# Altium PCB ALCT_MEZ_SPARTAN6T.PcbDoc (part 10 of 12) (continued)
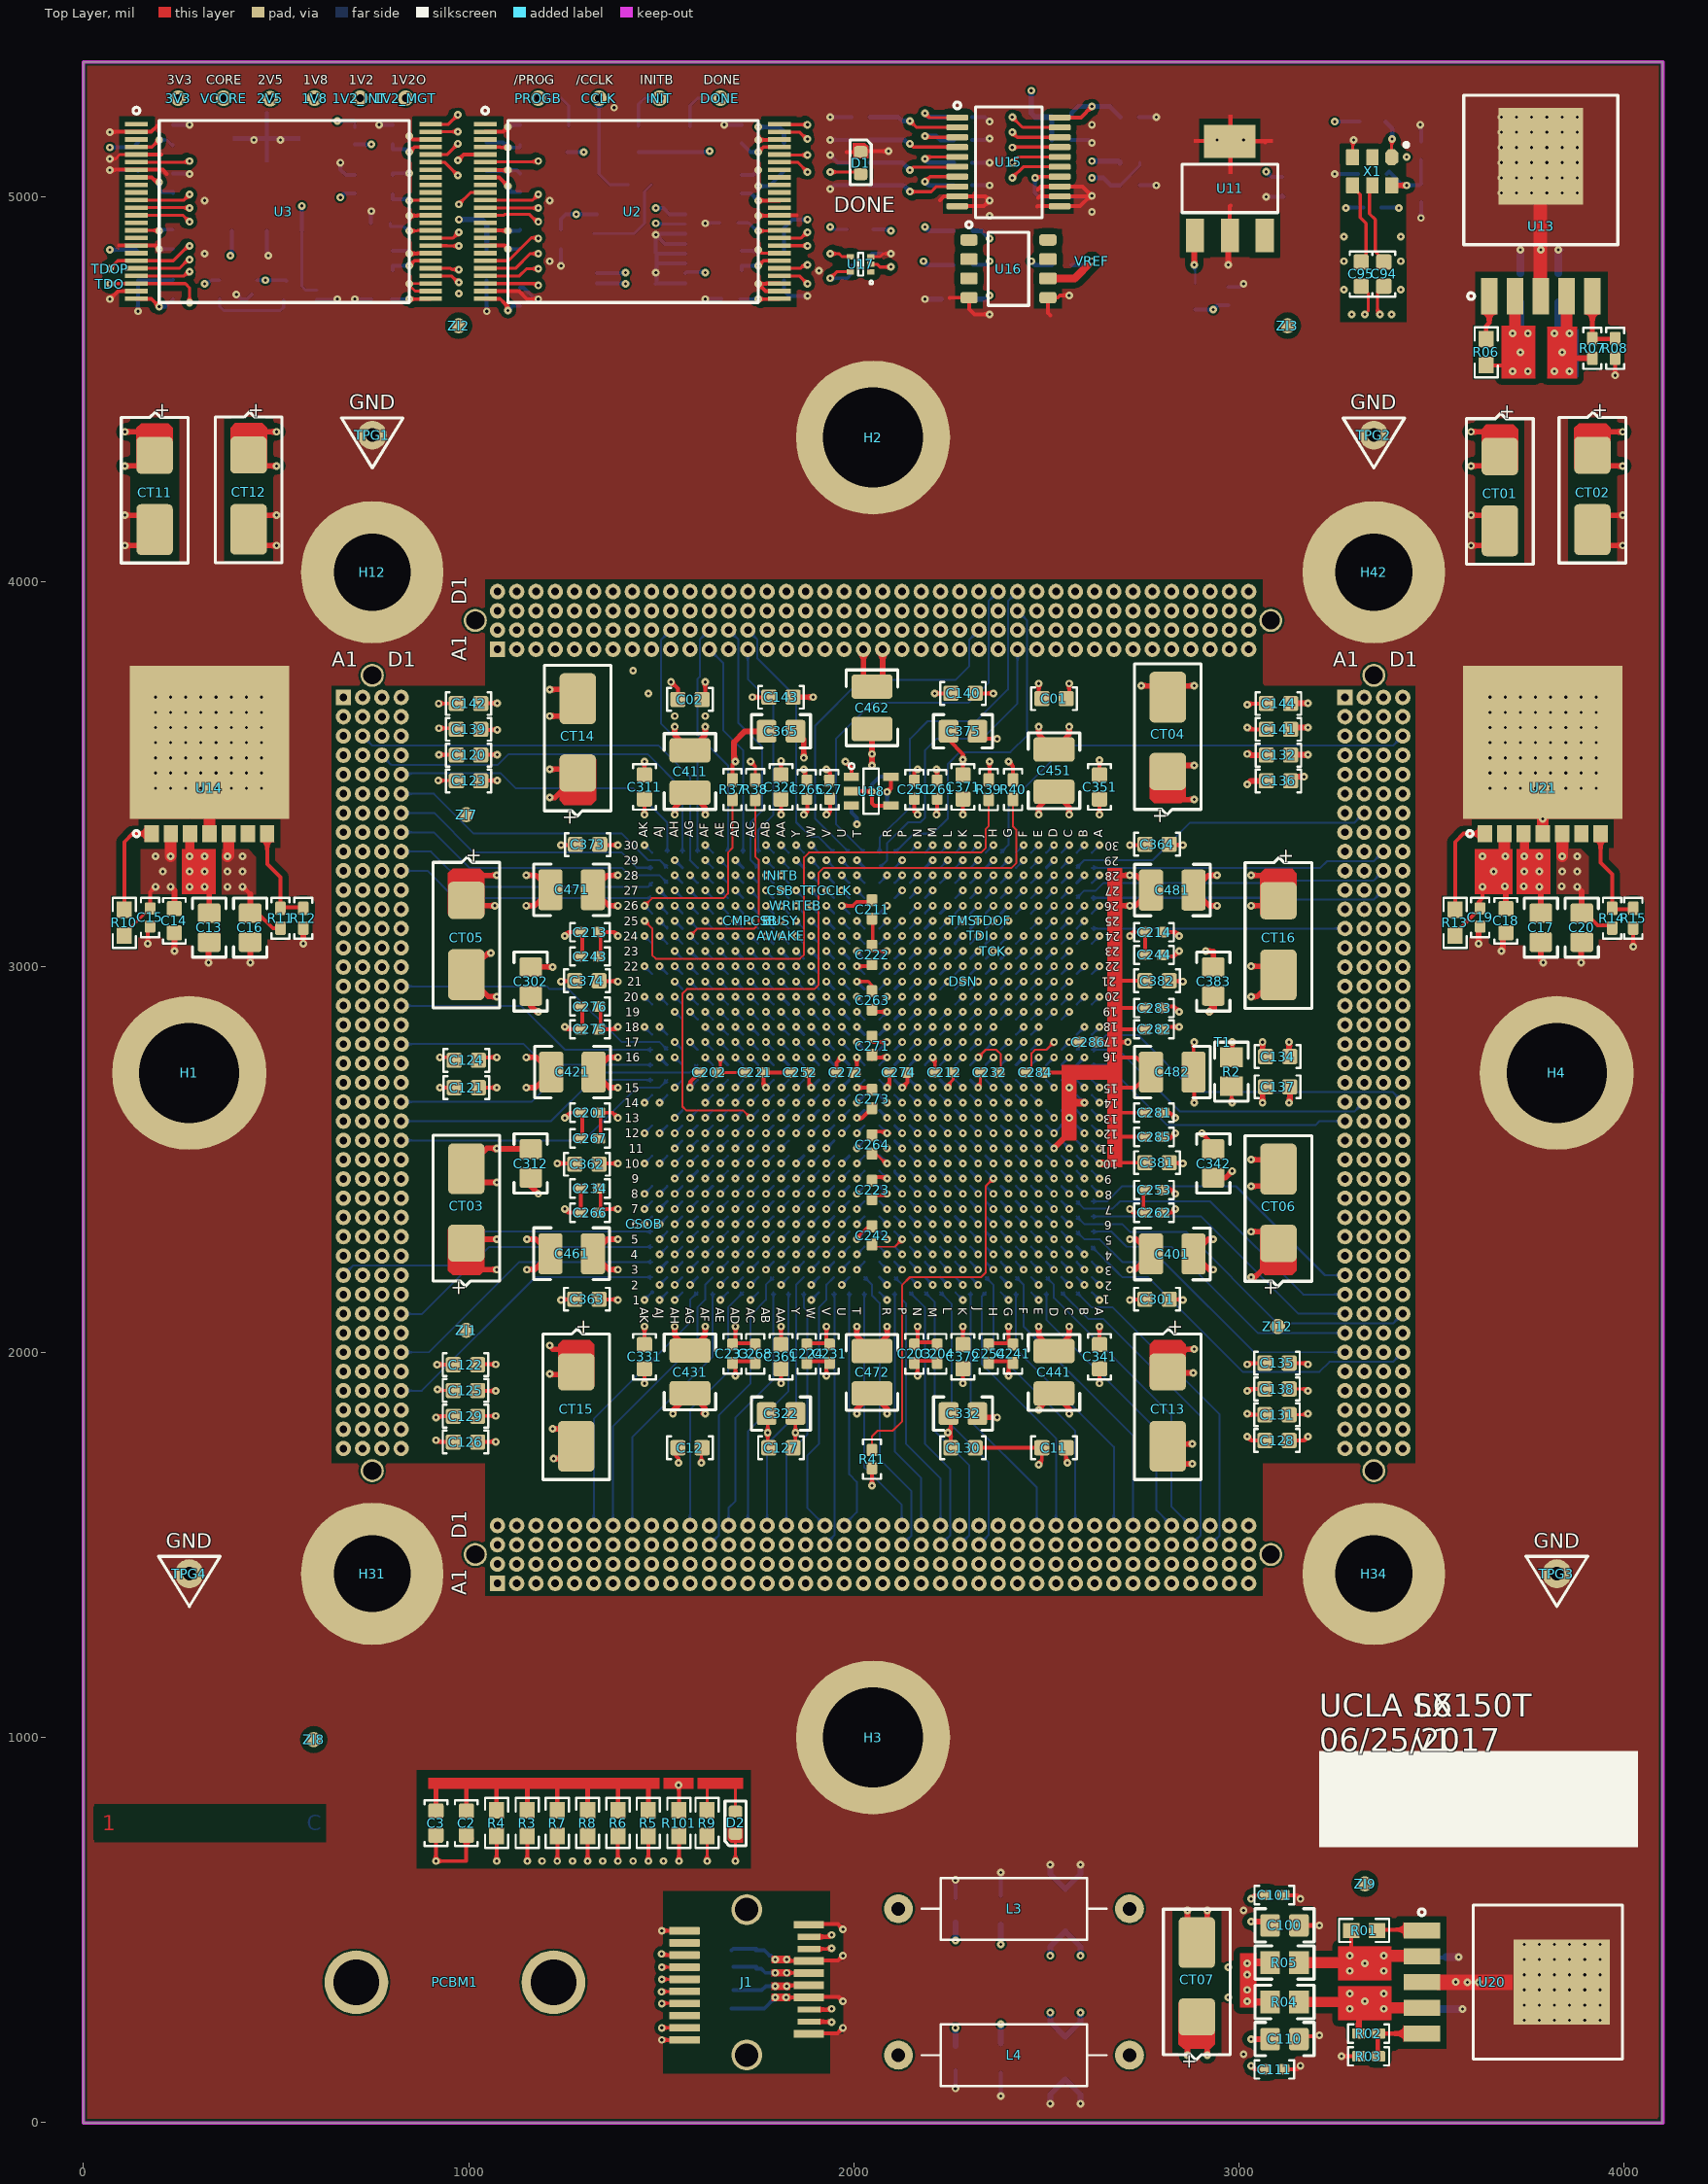
[diagram p0: Top Layer view]
## Nets (pads, with @x,y where several pads share a name; then routed paths per layer and width w, separated by ;. In a path a pad name is that pad's centre, name@x,y a point inside that pad or via, vN(x,y) a via of type N, cw(c..) or ccw(c..) an arc to the next point about the centre after c; other vN are vias at no path point) (continued)
  Bottom Layer w6: U1.E25@2460.63,3100.39 v1(2480.33,3120.06)
XP4B_9: U1.F28 XP4.B9 | length 1140.9
  Mid-Layer 5 w5: v1(2440.94,3238.19) 2460.62,3218.5 2893.7,3218.5 2950.7,3275.5 3215.85,3275.5 3264.85,3324.5 3300.5,3324.5 XP4.B9@3325,3300 ; XP4.B9@3311.5,3300 ccw(c3278.91,3300) 3301.95,3323.05 ccw(c3325,3346.09) XP4.B9@3325,3313.5 ; XP4.B9@3311.5,3300 ccw(c3278.91,3300) 3301.96,3323.04 ccw(c3325,3346.09) XP4.B9@3325,3313.5 ; XP4.B9@3316.5,3300 ccw(c3295.98,3300) 3310.49,3314.51 ; XP4.B9@3316.5,3300 ccw(c3295.98,3300) 3310.49,3314.51 ; XP4.B9@3325,3308.5 cw(c3325,3329.02) 3310.49,3314.51 ; XP4.B9@3325,3308.5 cw(c3325,3329.02) 3310.49,3314.51
  Bottom Layer w6: U1.F28@2421.26,3218.5 v1(2440.94,3238.19)
XP4B_10: U1.E27 XP4.B10 | length 1097
  Mid-Layer 5 w5: v1(2480.33,3198.81) 2499.83,3179.31 3021.65,3179.31 3086.34,3244 3224.32,3244 3254.81,3274.5 3300.5,3274.5 XP4.B10@3325,3250 ; XP4.B10@3311.5,3250 ccw(c3278.91,3250) 3301.95,3273.05 ccw(c3325,3296.09) XP4.B10@3325,3263.5 ; XP4.B10@3311.5,3250 ccw(c3278.91,3250) 3301.96,3273.04 ccw(c3325,3296.09) XP4.B10@3325,3263.5 ; XP4.B10@3316.5,3250 ccw(c3295.98,3250) 3310.49,3264.51 ; XP4.B10@3316.5,3250 ccw(c3295.98,3250) 3310.49,3264.51 ; XP4.B10@3325,3258.5 cw(c3325,3279.02) 3310.49,3264.51 ; XP4.B10@3325,3258.5 cw(c3325,3279.02) 3310.49,3264.51
  Bottom Layer w6: U1.E27@2460.63,3179.13 v1(2480.33,3198.81)
XP4B_11: U1.F22 XP4.B11 | length 1209.1
  Mid-Layer 1 w5: v1(2440.94,3001.96) 2460.45,2982.45 2882.08,2982.45 3124.62,3225 3298.82,3225 ; 3287.4,3225 3298.82,3225 ; XP4.B11@3311.5,3200 ccw(c3278.91,3200) 3301.95,3223.05 ccw(c3325,3246.09) XP4.B11@3325,3213.5 ; XP4.B11@3311.5,3200 ccw(c3278.91,3200) 3301.96,3223.04 ccw(c3325,3246.09) XP4.B11@3325,3213.5 ; XP4.B11@3316.5,3200 ccw(c3295.98,3200) 3310.49,3214.51 ; XP4.B11@3316.5,3200 ccw(c3295.98,3200) 3310.49,3214.51 ; XP4.B11@3325,3208.5 cw(c3325,3229.02) 3310.49,3214.51 ; XP4.B11@3325,3200 3300,3225 3298.82,3225 ; XP4.B11@3325,3208.5 cw(c3325,3229.02) 3310.49,3214.51
  Bottom Layer w6: U1.F22@2421.26,2982.28 v1(2440.94,3001.96)
XP4B_12: U1.F21 XP4.B12 | length 1193.7
  Mid-Layer 1 w5: v1(2440.94,2962.6) 2460.45,2943.09 2893.87,2943.09 3125.79,3175 3298.82,3175 XP4.B12@3325,3148.82 ; 3302.79,3171.03 cw(c3281.76,3150) XP4.B12@3311.5,3150 ; 3302.8,3171.01 cw(c3281.79,3150) XP4.B12@3311.5,3150 ; XP4.B12@3316.5,3150 ccw(c3298.83,3150) 3311.32,3162.49 cw(c3298.86,3150) XP4.B12@3316.5,3150 ; XP4.B12@3325,3158.5 cw(c3325,3181.87) 3308.47,3165.34 ccw(c3325,3181.89) XP4.B12@3325,3158.5 ; XP4.B12@3325,3163.5 cw(c3325,3198.94) 3299.93,3173.88 ccw(c3325,3198.96) XP4.B12@3325,3163.5
  Bottom Layer w6: U1.F21@2421.26,2942.91 v1(2440.94,2962.6)
XP4B_13: U1.D24 XP4.B13 | length 1033.5
  Mid-Layer 5 w5: v1(2519.69,3080.7) 2539.37,3061.02 3129.92,3061.02 3193.4,3124.5 3302.67,3124.5 ; 3305.65,3121.52 ccw(c3325,3140.87) XP4.B13@3325,3113.5 ; 3305.65,3121.51 ccw(c3325,3140.85) XP4.B13@3325,3113.5 ; XP4.B13@3325,3108.5 cw(c3325,3123.78) 3314.19,3112.98 ccw(c3325,3123.8) XP4.B13@3325,3108.5 ; XP4.B13@3325,3100 3325,3102.17 3302.67,3124.5 ; 3302.67,3124.5 cw(c3281.1,3102.93) 3311.53,3100.9 ccw(c3281.11,3102.94) 3302.67,3124.5 ; 3310.46,3116.71 cw(c3295.7,3101.95) 3316.52,3100.57 ccw(c3295.71,3101.97) 3310.45,3116.71
  Bottom Layer w6: U1.D24@2500.01,3061.01 v1(2519.69,3080.7)
XP4B_14: U1.F18 XP4.B14 | length 1163.9
  Mid-Layer 1 w5: v1(2440.94,2844.48) 2460.45,2863.99 2942.73,2863.99 3103.74,3025 3300,3025 XP4.B14@3325,3050 ; XP4.B14@3311.5,3050 cw(c3278.91,3050) 3301.95,3026.95 ; XP4.B14@3311.5,3050 cw(c3278.91,3050) 3301.96,3026.96 ; XP4.B14@3316.5,3050 cw(c3295.98,3050) 3310.49,3035.49 ; XP4.B14@3316.5,3050 cw(c3295.98,3050) 3310.49,3035.49 ; XP4.B14@3325,3036.5 ccw(c3325,3003.91) 3301.95,3026.95 ; XP4.B14@3325,3041.5 ccw(c3325,3020.98) 3310.49,3035.49 ; XP4.B14@3325,3036.5 ccw(c3325,3003.91) 3301.96,3026.96 ; XP4.B14@3325,3041.5 ccw(c3325,3020.98) 3310.49,3035.49
  Bottom Layer w6: U1.F18@2421.26,2824.8 v1(2440.94,2844.48)
XP4B_15: U1.E17 XP4.B15 | length 1120.4
  Mid-Layer 1 w5: v1(2480.33,2805.11) 2482.86,2805.11 2502.37,2824.62 2960.47,2824.62 3110.24,2974.39 3110.24,2975 3300,2975 XP4.B15@3325,3000 ; XP4.B15@3311.5,3000 cw(c3278.91,3000) 3301.95,2976.95 ; XP4.B15@3311.5,3000 cw(c3278.91,3000) 3301.96,2976.96 ; XP4.B15@3316.5,3000 cw(c3295.98,3000) 3310.49,2985.49 ; XP4.B15@3316.5,3000 cw(c3295.98,3000) 3310.49,2985.49 ; XP4.B15@3325,2986.5 ccw(c3325,2953.91) 3301.95,2976.95 ; XP4.B15@3325,2991.5 ccw(c3325,2970.98) 3310.49,2985.49 ; XP4.B15@3325,2986.5 ccw(c3325,2953.91) 3301.96,2976.96 ; XP4.B15@3325,2991.5 ccw(c3325,2970.98) 3310.49,2985.49
  Bottom Layer w6: U1.E17@2460.63,2785.43 v1(2480.33,2805.11)
XP4B_16: U1.G22 XP4.B16 | length 1160.3
  Mid-Layer 4 w5: v1(2401.58,3001.96) 2421.08,3021.46 2706.19,3021.46 ; 2706.2,3021.47 3199,3021.47 3245.47,2975 3300,2975 XP4.B16@3325,2950 XP4.B16@3325,2954.53 ; XP4.B16@3311.5,2950 ccw(c3278.91,2950) 3301.95,2973.05 ccw(c3325,2996.09) XP4.B16@3325,2963.5 ; XP4.B16@3311.5,2950 ccw(c3278.91,2950) 3301.96,2973.04 ccw(c3325,2996.09) XP4.B16@3325,2963.5 ; XP4.B16@3316.5,2950 ccw(c3295.98,2950) 3310.49,2964.51 ; XP4.B16@3316.5,2950 ccw(c3295.98,2950) 3310.49,2964.51 ; XP4.B16@3325,2958.5 cw(c3325,2979.02) 3310.49,2964.51 ; XP4.B16@3325,2958.5 cw(c3325,2979.02) 3310.49,2964.51
  Bottom Layer w6: U1.G22@2381.89,2982.28 v1(2401.58,3001.96)
XP4B_17: U1.K19 XP4.B17 | length 1351.2
  Mid-Layer 4 w5: v1(2283.47,2883.84) 2303.15,2903.52 2303.15,2972.26 2312.99,2982.1 3169.48,2982.1 3226.57,2925 3300,2925 XP4.B17@3325,2900 ; XP4.B17@3311.5,2900 ccw(c3278.91,2900) 3301.95,2923.05 ccw(c3325,2946.09) XP4.B17@3325,2913.5 ; XP4.B17@3311.5,2900 ccw(c3278.91,2900) 3301.96,2923.04 ccw(c3325,2946.09) XP4.B17@3325,2913.5 ; XP4.B17@3316.5,2900 ccw(c3295.98,2900) 3310.49,2914.51 ; XP4.B17@3316.5,2900 ccw(c3295.98,2900) 3310.49,2914.51 ; XP4.B17@3325,2908.5 cw(c3325,2929.02) 3310.49,2914.51 ; XP4.B17@3325,2908.5 cw(c3325,2929.02) 3310.49,2914.51
  Bottom Layer w6: U1.K19@2263.78,2864.17 v1(2283.47,2883.84)
XP4B_18: U1.G16 XP4.B18 | length 1263.9
  Mid-Layer 4 w5: v1(2401.58,2765.75) 2382.08,2785.25 2382.08,2852.56 2393.69,2864.17 2393.88,2863.99 3139.95,2863.99 3178.94,2825 3300,2825 XP4.B18@3325,2850 ; XP4.B18@3311.5,2850 cw(c3278.91,2850) 3301.95,2826.95 ; XP4.B18@3311.5,2850 cw(c3278.91,2850) 3301.96,2826.96 ; XP4.B18@3316.5,2850 cw(c3295.98,2850) 3310.49,2835.49 ; XP4.B18@3316.5,2850 cw(c3295.98,2850) 3310.49,2835.49 ; XP4.B18@3325,2836.5 ccw(c3325,2803.91) 3301.95,2826.95 ; XP4.B18@3325,2841.5 ccw(c3325,2820.98) 3310.49,2835.49 ; XP4.B18@3325,2836.5 ccw(c3325,2803.91) 3301.96,2826.96 ; XP4.B18@3325,2841.5 ccw(c3325,2820.98) 3310.49,2835.49
  Bottom Layer w6: U1.G16@2381.89,2746.06 v1(2401.58,2765.75)
XP4B_19: U1.J14 XP4.B19 | length 1321.5
  Mid-Layer 1 w5: v1(2322.84,2647.63) 2303.34,2667.13 2303.34,2706.89 2322.83,2726.38 3176.38,2726.38 3225,2775 3301.18,2775 ; XP4.B19@3311.5,2799.98 cw(c3276.27,2799.91) 3301.18,2775 ; XP4.B19@3311.5,2799.98 cw(c3276.25,2799.93) 3301.18,2775 ; 3312.5,2786.32 cw(c3325,2773.81) XP4.B19@3325,2791.5 ; 3312.5,2786.33 cw(c3325,2773.83) XP4.B19@3325,2791.5 ; XP4.B19@3316.5,2799.98 cw(c3293.26,2799.94) 3309.69,2783.51 ccw(c3293.26,2799.96) XP4.B19@3316.5,2799.99 ; XP4.B19@3325,2786.5 ccw(c3325,2756.76) 3303.97,2777.79 cw(c3325,2756.74) XP4.B19@3325,2786.5 ; XP4.B19@3325,2798.82 3301.18,2775
  Bottom Layer w6: U1.J14@2303.16,2667.31 v1(2322.84,2647.63)
XP4B_22: U1.A17 XP4.B22 | length 975.1
  Bottom Layer w5: U1.A17@2618.11,2785.43 2618.11,2785.75 2686.44,2785.75 2847.18,2625 3300,2625 XP4.B22@3325,2650 ; U1.A17@2622.61,2780.94 cw(c2634.22,2769.32) 2634.22,2785.75 ; U1.A17@2622.61,2789.93 ccw(c2632.7,2800.02) 2632.7,2785.75 ; XP4.B22@3311.5,2650 cw(c3278.9,2650) 3301.95,2626.95 ; XP4.B22@3311.5,2650 cw(c3278.91,2650) 3301.96,2626.96 ; XP4.B22@3316.5,2650 cw(c3295.98,2650) 3310.49,2635.49 ; XP4.B22@3316.5,2650 cw(c3295.98,2650) 3310.49,2635.49 ; XP4.B22@3325,2636.5 ccw(c3325,2603.91) 3301.95,2626.95 ; XP4.B22@3325,2641.5 ccw(c3325,2620.98) 3310.49,2635.49 ; XP4.B22@3325,2636.5 ccw(c3325,2603.91) 3301.96,2626.96 ; XP4.B22@3325,2641.5 ccw(c3325,2620.98) 3310.49,2635.49
XP4B_23: U1.F19 XP4.B23 | length 1198.3
  Mid-Layer 2 w5: v1(2440.94,2883.84) 2460.6,2864.17 3028.13,2864.17 3079.52,2812.78 3079.52,2810.82 3264.85,2625.5 3266.8,2625.5 3267.3,2625 3300,2625 XP4.B23@3325,2600 ; XP4.B23@3311.5,2600 ccw(c3278.91,2600) 3301.95,2623.05 ccw(c3325,2646.09) XP4.B23@3325,2613.5 ; XP4.B23@3311.5,2600 ccw(c3278.91,2600) 3301.96,2623.04 ccw(c3325,2646.09) XP4.B23@3325,2613.5 ; XP4.B23@3316.5,2600 ccw(c3295.98,2600) 3310.49,2614.51 ; XP4.B23@3316.5,2600 ccw(c3295.98,2600) 3310.49,2614.51 ; XP4.B23@3324.41,2599.41 XP4.B23@3325,2598.82 ; XP4.B23@3325,2608.5 cw(c3325,2629.02) 3310.49,2614.51 ; XP4.B23@3325,2608.5 cw(c3325,2629.02) 3310.49,2614.51
  Bottom Layer w6: U1.F19@2421.26,2864.17 v1(2440.94,2883.84)
XP4B_24: U1.G12 XP4.B24 | length 1162.8
  Mid-Layer 1 w5: v1(2401.58,2568.89) 2421.09,2588.4 2933.07,2588.4 2996.47,2525 3300,2525 XP4.B24@3325,2550 ; XP4.B24@3311.5,2550 cw(c3278.91,2550) 3301.95,2526.95 ; XP4.B24@3311.5,2550 cw(c3278.91,2550) 3301.96,2526.96 ; XP4.B24@3316.5,2550 cw(c3295.98,2550) 3310.49,2535.49 ; XP4.B24@3316.5,2550 cw(c3295.98,2550) 3310.49,2535.49 ; XP4.B24@3325,2536.5 ccw(c3325,2503.91) 3301.95,2526.95 ; XP4.B24@3325,2541.5 ccw(c3325,2520.98) 3310.49,2535.49 ; XP4.B24@3325,2536.5 ccw(c3325,2503.91) 3301.96,2526.96 ; XP4.B24@3325,2541.5 ccw(c3325,2520.98) 3310.49,2535.49
  Bottom Layer w6: U1.G12@2381.89,2588.58 v1(2401.58,2568.89)
XP4B_25: U1.E11 XP4.B25 | length 1087.4
  Mid-Layer 1 w5: v1@2480.33,2532.03 2497.34,2549.04 2931.3,2549.04 3005.33,2475 3300,2475 XP4.B25@3325,2500 ; XP4.B25@3311.5,2500 cw(c3278.91,2500) 3301.95,2476.95 ; XP4.B25@3311.5,2500 cw(c3278.91,2500) 3301.96,2476.96 ; XP4.B25@3316.5,2500 cw(c3295.98,2500) 3310.49,2485.49 ; XP4.B25@3316.5,2500 cw(c3295.98,2500) 3310.49,2485.49 ; XP4.B25@3325,2486.5 ccw(c3325,2453.91) 3301.95,2476.95 ; XP4.B25@3325,2491.5 ccw(c3325,2470.98) 3310.49,2485.49 ; XP4.B25@3325,2486.5 ccw(c3325,2453.91) 3301.96,2476.96 ; XP4.B25@3325,2491.5 ccw(c3325,2470.98) 3310.49,2485.49
  Bottom Layer w6: U1.E11@2460.63,2549.21 v1(2480.33,2529.53)
XP4B_26: U1.G9 XP4.B26 | length 1166.6
  Mid-Layer 1 w5: v1(2401.58,2450.78) 2421.08,2470.28 2903.74,2470.28 2962.6,2411.42 3214.76,2411.42 3228.35,2425 3300,2425 XP4.B26@3325,2450 ; XP4.B26@3311.5,2450 cw(c3278.91,2450) 3301.95,2426.95 ; XP4.B26@3311.5,2450 cw(c3278.91,2450) 3301.96,2426.96 ; XP4.B26@3316.5,2450 cw(c3295.98,2450) 3310.49,2435.49 ; XP4.B26@3316.5,2450 cw(c3295.98,2450) 3310.49,2435.49 ; XP4.B26@3325,2436.5 ccw(c3325,2403.91) 3301.95,2426.95 ; XP4.B26@3325,2441.5 ccw(c3325,2420.98) 3310.49,2435.49 ; XP4.B26@3325,2436.5 ccw(c3325,2403.91) 3301.96,2426.96 ; XP4.B26@3325,2441.5 ccw(c3325,2420.98) 3310.49,2435.49
  Bottom Layer w6: U1.G9@2381.89,2470.47 v1(2401.58,2450.78)
XP4B_27: U1.C8 XP4.B27 | length 1002.2
  Mid-Layer 1 w5: v1(2559.06,2411.41) 2578.57,2430.92 2884.04,2430.92 2939.64,2375.32 3150,2375.32 3150.32,2375 3300,2375 XP4.B27@3325,2400 ; XP4.B27@3311.5,2400 cw(c3278.91,2400) 3301.95,2376.95 ; XP4.B27@3311.5,2400 cw(c3278.91,2400) 3301.96,2376.96 ; XP4.B27@3316.5,2400 cw(c3295.98,2400) 3310.49,2385.49 ; XP4.B27@3316.5,2400 cw(c3295.98,2400) 3310.49,2385.49 ; XP4.B27@3325,2386.5 ccw(c3325,2353.91) 3301.95,2376.95 ; XP4.B27@3325,2391.5 ccw(c3325,2370.98) 3310.49,2385.49 ; XP4.B27@3325,2386.5 ccw(c3325,2353.91) 3301.96,2376.96 ; XP4.B27@3325,2391.5 ccw(c3325,2370.98) 3310.49,2385.49
  Bottom Layer w6: U1.C8@2539.38,2431.09 v1(2559.06,2411.41)
XP4B_28: U1.D8 XP4.B28 | length 1046.1
  Mid-Layer 1 w5: v1(2519.69,2411.41) 2539.55,2391.56 2854.51,2391.56 2913.57,2332.49 3039.57,2332.49 3046.75,2325.32 3175,2325.32 3175.32,2325 3300,2325 XP4.B28@3325,2350 ; XP4.B28@3311.5,2350 cw(c3278.91,2350) 3301.95,2326.95 ; XP4.B28@3311.5,2350 cw(c3278.91,2350) 3301.96,2326.96 ; XP4.B28@3316.5,2350 cw(c3295.98,2350) 3310.49,2335.49 ; XP4.B28@3316.5,2350 cw(c3295.98,2350) 3310.49,2335.49 ; XP4.B28@3325,2336.5 ccw(c3325,2303.91) 3301.95,2326.95 ; XP4.B28@3325,2341.5 ccw(c3325,2320.98) 3310.49,2335.49 ; XP4.B28@3325,2336.5 ccw(c3325,2303.91) 3301.96,2326.96 ; XP4.B28@3325,2341.5 ccw(c3325,2320.98) 3310.49,2335.49
  Bottom Layer w6: U1.D8@2500,2431.1 v1(2519.69,2411.41)
XP4B_29: U1.D7 XP4.B29 | length 1051.5
  Mid-Layer 1 w5: v1(2519.69,2372.04) 2539.43,2352.31 2834.89,2352.31 2913.39,2273.81 3109.04,2273.81 3110.24,2275 3300,2275 XP4.B29@3325,2300 ; XP4.B29@3311.5,2300 cw(c3278.91,2300) 3301.95,2276.95 ; XP4.B29@3311.5,2300 cw(c3278.91,2300) 3301.96,2276.96 ; XP4.B29@3316.5,2300 cw(c3295.98,2300) 3310.49,2285.49 ; XP4.B29@3316.5,2300 cw(c3295.98,2300) 3310.49,2285.49 ; XP4.B29@3325,2286.5 ccw(c3325,2253.91) 3301.95,2276.95 ; XP4.B29@3325,2291.5 ccw(c3325,2270.98) 3310.49,2285.49 ; XP4.B29@3325,2286.5 ccw(c3325,2253.91) 3301.96,2276.96 ; XP4.B29@3325,2291.5 ccw(c3325,2270.98) 3310.49,2285.49
  Bottom Layer w6: U1.D7@2500,2391.73 v1(2519.69,2372.04)
XP4B_30: U1.C6 XP4.B30 | length 1015.6
  Mid-Layer 1 w5: v1(2559.06,2332.68) 2804.75,2332.68 2903.36,2234.07 3101.17,2234.07 3110.24,2225 3300,2225 XP4.B30@3325,2250 ; XP4.B30@3311.5,2250 cw(c3278.91,2250) 3301.95,2226.95 ; XP4.B30@3311.5,2250 cw(c3278.91,2250) 3301.96,2226.96 ; XP4.B30@3316.5,2250 cw(c3295.98,2250) 3310.49,2235.49 ; XP4.B30@3316.5,2250 cw(c3295.98,2250) 3310.49,2235.49 ; XP4.B30@3325,2236.5 ccw(c3325,2203.91) 3301.95,2226.95 ; XP4.B30@3325,2241.5 ccw(c3325,2220.98) 3310.49,2235.49 ; XP4.B30@3325,2236.5 ccw(c3325,2203.91) 3301.96,2226.96 ; XP4.B30@3325,2241.5 ccw(c3325,2220.98) 3310.49,2235.49
  Bottom Layer w6: U1.C6@2539.38,2352.36 v1(2559.06,2332.68)
XP4B_31: U1.D6 XP4.B31 | length 1075.9
  Mid-Layer 1 w5: v1(2519.69,2332.68) 2539.32,2313.05 2551.05,2313.05 ; 2551.05,2312.82 2764.01,2312.82 ; 2763.78,2313.05 2764.01,2312.82 ; XP4.B31@3311.5,2200 cw(c3278.91,2200) 3301.95,2176.95 ; XP4.B31@3311.5,2200 cw(c3278.91,2200) 3301.96,2176.96 ; XP4.B31@3316.5,2200 cw(c3295.98,2200) 3310.49,2185.49 ; XP4.B31@3316.5,2200 cw(c3295.98,2200) 3310.49,2185.49 ; XP4.B31@3325,2186.5 ccw(c3325,2153.91) 3301.95,2176.95 ; XP4.B31@3325,2191.5 ccw(c3325,2170.98) 3310.49,2185.49 ; XP4.B31@3325,2186.5 ccw(c3325,2153.91) 3301.96,2176.96 ; XP4.B31@3325,2191.5 ccw(c3325,2170.98) 3310.49,2185.49 ; XP4.B31@3325,2200 3300,2175 2901.83,2175 2764.01,2312.82
  Bottom Layer w6: U1.D6@2500,2352.36 v1(2519.69,2332.68)
XP4B_32: U1.C5 XP4.B32 | length 1041.1
  Mid-Layer 1 w5: v1(2559.06,2293.29) 2559.58,2293.82 2686.5,2293.82 2706.69,2273.62 2746.06,2273.62 2894.37,2125.32 3175,2125.32 3175.32,2125 3300,2125 XP4.B32@3325,2150 ; XP4.B32@3311.5,2150 cw(c3278.91,2150) 3301.95,2126.95 ; XP4.B32@3311.5,2150 cw(c3278.91,2150) 3301.96,2126.96 ; XP4.B32@3316.5,2150 cw(c3295.98,2150) 3310.49,2135.49 ; XP4.B32@3316.5,2150 cw(c3295.98,2150) 3310.49,2135.49 ; XP4.B32@3325,2136.5 ccw(c3325,2103.91) 3301.95,2126.95 ; XP4.B32@3325,2141.5 ccw(c3325,2120.98) 3310.49,2135.49 ; XP4.B32@3325,2136.5 ccw(c3325,2103.91) 3301.96,2126.96 ; XP4.B32@3325,2141.5 ccw(c3325,2120.98) 3310.49,2135.49
  Bottom Layer w6: U1.C5@2539.38,2312.98 v1(2559.06,2293.29)
XP4B_33: U1.D5 XP4.B33 | length 1100.8
  Mid-Layer 1 w5: v1(2519.69,2293.29) 2539.43,2273.56 2618.17,2273.56 2637.8,2253.94 2704.74,2253.94 2883.36,2075.32 3200,2075.32 3200.32,2075 3300,2075 XP4.B33@3325,2100 ; XP4.B33@3311.5,2100 cw(c3278.91,2100) 3301.95,2076.95 ; XP4.B33@3311.5,2100 cw(c3278.91,2100) 3301.96,2076.96 ; XP4.B33@3316.5,2100 cw(c3295.98,2100) 3310.49,2085.49 ; XP4.B33@3316.5,2100 cw(c3295.98,2100) 3310.49,2085.49 ; XP4.B33@3325,2086.5 ccw(c3325,2053.91) 3301.95,2076.95 ; XP4.B33@3325,2091.5 ccw(c3325,2070.98) 3310.49,2085.49 ; XP4.B33@3325,2086.5 ccw(c3325,2053.91) 3301.96,2076.96 ; XP4.B33@3325,2091.5 ccw(c3325,2070.98) 3310.49,2085.49
  Bottom Layer w6: U1.D5@2500,2312.99 v1(2519.69,2293.29)
XP4B_34: U1.C4 XP4.B34 | length 1065.1
  Mid-Layer 1 w5: v1(2559.06,2253.93) 2560.18,2253.93 v1@2560.24,2253.87 ; v1@2560.18,2253.81 2579.68,2234.31 2657.43,2234.31 2864.36,2027.37 2891.94,2027.37 2894.31,2025 3301.18,2025 ; XP4.B34@3311.5,2049.98 cw(c3276.27,2049.91) 3301.18,2025 ; XP4.B34@3311.5,2049.98 cw(c3276.25,2049.93) 3301.18,2025 ; 3312.5,2036.32 cw(c3325,2023.81) XP4.B34@3325,2041.5 ; 3312.5,2036.33 cw(c3325,2023.83) XP4.B34@3325,2041.5 ; XP4.B34@3316.5,2049.98 cw(c3293.26,2049.94) 3309.69,2033.51 ccw(c3293.26,2049.96) XP4.B34@3316.5,2049.99 ; XP4.B34@3325,2036.5 ccw(c3325,2006.76) 3303.97,2027.79 cw(c3325,2006.74) XP4.B34@3325,2036.5 ; XP4.B34@3325,2048.82 3301.18,2025
  Bottom Layer w6: U1.C4@2539.38,2273.61 v1(2559.06,2253.93)
XP4B_35: U1.E5 XP4.B35 | length 1177
  Mid-Layer 4 w5: v1(2480.33,2293.29) 2499.84,2312.81 2884.04,2312.81 3171.85,2025 3300,2025 XP4.B35@3325,2000 ; XP4.B35@3311.5,2000 ccw(c3278.91,2000) 3301.95,2023.05 ccw(c3325,2046.09) XP4.B35@3325,2013.5 ; XP4.B35@3311.5,2000 ccw(c3278.91,2000) 3301.96,2023.04 ccw(c3325,2046.09) XP4.B35@3325,2013.5 ; XP4.B35@3316.5,2000 ccw(c3295.98,2000) 3310.49,2014.51 ; XP4.B35@3316.5,2000 ccw(c3295.98,2000) 3310.49,2014.51 ; XP4.B35@3325,2008.5 cw(c3325,2029.02) 3310.49,2014.51 ; XP4.B35@3325,2008.5 cw(c3325,2029.02) 3310.49,2014.51
  Bottom Layer w6: U1.E5@2460.63,2312.99 v1(2480.33,2293.29)
XP4B_36: U1.B2 XP4.B36 | length 1051.4
  Mid-Layer 1 w5: v1(2598.43,2175.2) 2598.43,2147.62 2821.55,1924.5 3299.5,1924.5 ; 3300.5,1925.5 XP4.B36@3325,1950 ; XP4.B36@3311.5,1950 cw(c3278.91,1950) 3301.95,1926.95 ; XP4.B36@3311.5,1950 cw(c3278.91,1950) 3301.96,1926.96 ; XP4.B36@3316.5,1950 cw(c3295.98,1950) 3310.49,1935.49 ; XP4.B36@3316.5,1950 cw(c3295.98,1950) 3310.49,1935.49 ; XP4.B36@3325,1936.5 ccw(c3325,1903.91) 3301.95,1926.95 ; XP4.B36@3325,1941.5 ccw(c3325,1920.98) 3310.49,1935.49 ; XP4.B36@3325,1936.5 ccw(c3325,1903.91) 3301.96,1926.96 ; XP4.B36@3325,1941.5 ccw(c3325,1920.98) 3310.49,1935.49
  Bottom Layer w6: U1.B2@2578.74,2194.88 v1@2599.11,2174.51
XP4B_37: U1.D4 XP4.B37 | length 1225.4
  Mid-Layer 1 w5: v1(2519.69,2253.93) 2539.56,2234.06 2539.56,2220.27 2539.56,2135.64 2800.7,1874.5 3299.5,1874.5 XP4.B37@3325,1900 ; XP4.B37@3311.5,1900 cw(c3278.91,1900) 3301.95,1876.95 ; XP4.B37@3311.5,1900 cw(c3278.91,1900) 3301.96,1876.96 ; XP4.B37@3316.5,1900 cw(c3295.98,1900) 3310.49,1885.49 ; XP4.B37@3316.5,1900 cw(c3295.98,1900) 3310.49,1885.49 ; XP4.B37@3325,1886.5 ccw(c3325,1853.91) 3301.95,1876.95 ; XP4.B37@3325,1891.5 ccw(c3325,1870.98) 3310.49,1885.49 ; XP4.B37@3325,1886.5 ccw(c3325,1853.91) 3301.96,1876.96 ; XP4.B37@3325,1891.5 ccw(c3325,1870.98) 3310.49,1885.49
  Bottom Layer w6: U1.D4@2500.01,2273.61 v1(2519.69,2253.93)
XP4B_38: U1.A2 XP4.B38 | length 1040.6
  Mid-Layer 4 w5: v1(2637.8,2175.2) 2787.38,2175.2 3141.53,1821.05 3187.21,1821.05 3190.66,1824.5 3299.5,1824.5 XP4.B38@3325,1850 ; XP4.B38@3311.5,1850 cw(c3278.91,1850) 3301.95,1826.95 ; XP4.B38@3311.5,1850 cw(c3278.91,1850) 3301.96,1826.96 ; XP4.B38@3316.5,1850 cw(c3295.98,1850) 3310.49,1835.49 ; XP4.B38@3316.5,1850 cw(c3295.98,1850) 3310.49,1835.49 ; XP4.B38@3325,1836.5 ccw(c3325,1803.91) 3301.95,1826.95 ; XP4.B38@3325,1841.5 ccw(c3325,1820.98) 3310.49,1835.49 ; XP4.B38@3325,1836.5 ccw(c3325,1803.91) 3301.96,1826.96 ; XP4.B38@3325,1841.5 ccw(c3325,1820.98) 3310.49,1835.49
  Bottom Layer w6: U1.A2@2618.11,2194.88 v1(2637.8,2175.2)
XP4C_3: U1.H30 XP4.C3 | length 1324.7
  Mid-Layer 7 w5: v1(2362.2,3316.93) 2381.89,3336.61 2936.99,3336.61 3175.38,3575 3350,3575 XP4.C3@3375,3600 ; XP4.C3@3361.5,3600 cw(c3328.91,3600) 3351.95,3576.95 ; XP4.C3@3361.5,3600 cw(c3328.91,3600) 3351.96,3576.96 ; XP4.C3@3366.5,3600 cw(c3345.98,3600) 3360.49,3585.49 ; XP4.C3@3366.5,3600 cw(c3345.98,3600) 3360.49,3585.49 ; XP4.C3@3375,3586.5 ccw(c3375,3553.91) 3351.95,3576.95 ; XP4.C3@3375,3591.5 ccw(c3375,3570.98) 3360.49,3585.49 ; XP4.C3@3375,3586.5 ccw(c3375,3553.91) 3351.96,3576.96 ; XP4.C3@3375,3591.5 ccw(c3375,3570.98) 3360.49,3585.49
  Bottom Layer w6: U1.H30@2342.52,3297.24 v1(2362.2,3316.93)
XP4C_4: U1.J29 XP4.C4 | length 1359.7
  Mid-Layer 7 w5: v1(2322.83,3277.56) 2342.46,3297.19 3001.91,3297.19 3229.72,3525 3350,3525 XP4.C4@3375,3550 ; XP4.C4@3361.5,3550 cw(c3328.91,3550) 3351.95,3526.95 ; XP4.C4@3361.5,3550 cw(c3328.91,3550) 3351.96,3526.96 ; XP4.C4@3366.5,3550 cw(c3345.98,3550) 3360.49,3535.49 ; XP4.C4@3366.5,3550 cw(c3345.98,3550) 3360.49,3535.49 ; XP4.C4@3375,3536.5 ccw(c3375,3503.91) 3351.95,3526.95 ; XP4.C4@3375,3541.5 ccw(c3375,3520.98) 3360.49,3535.49 ; XP4.C4@3375,3536.5 ccw(c3375,3503.91) 3351.96,3526.96 ; XP4.C4@3375,3541.5 ccw(c3375,3520.98) 3360.49,3535.49
  Bottom Layer w6: U1.J29@2303.15,3257.87 v1(2322.83,3277.56)
XP4C_5: U1.D27 XP4.C5 | length 1205.8
  Mid-Layer 1 w5: v1@2519.69,3198.93 2522.33,3198.93 2541.96,3218.56 2657.54,3218.56 2746.06,3307.09 2746.06,3324.82 2875.97,3454.72 2903.54,3454.72 2973.82,3525 3350,3525 XP4.C5@3375,3500 ; XP4.C5@3361.5,3500 ccw(c3328.91,3500) 3351.95,3523.05 ccw(c3375,3546.09) XP4.C5@3375,3513.5 ; XP4.C5@3361.5,3500 ccw(c3328.91,3500) 3351.96,3523.04 ccw(c3375,3546.09) XP4.C5@3375,3513.5 ; XP4.C5@3366.5,3500 ccw(c3345.98,3500) 3360.49,3514.51 ; XP4.C5@3366.5,3500 ccw(c3345.98,3500) 3360.49,3514.51 ; XP4.C5@3375,3508.5 cw(c3375,3529.02) 3360.49,3514.51 ; XP4.C5@3375,3508.5 cw(c3375,3529.02) 3360.49,3514.51
  Bottom Layer w6: U1.D27@2500,3179.13 v1(2519.69,3198.81)
XP4C_6: U1.A28 XP4.C6 | length 1044.1
  Mid-Layer 2 w5: v1(2637.8,3238.19) 2667.32,3208.66 3029.55,3208.66 3245.38,3424.5 3349.5,3424.5 XP4.C6@3375,3450 ; XP4.C6@3361.5,3450 cw(c3328.91,3450) 3351.95,3426.95 ; XP4.C6@3361.5,3450 cw(c3328.91,3450) 3351.96,3426.96 ; XP4.C6@3366.5,3450 cw(c3345.98,3450) 3360.49,3435.49 ; XP4.C6@3366.5,3450 cw(c3345.98,3450) 3360.49,3435.49 ; XP4.C6@3375,3436.5 ccw(c3375,3403.91) 3351.95,3426.95 ; XP4.C6@3375,3441.5 ccw(c3375,3420.98) 3360.49,3435.49 ; XP4.C6@3375,3436.5 ccw(c3375,3403.91) 3351.96,3426.96 ; XP4.C6@3375,3441.5 ccw(c3375,3420.98) 3360.49,3435.49
  Bottom Layer w6: U1.A28@2618.11,3218.5 v1(2637.8,3238.19)
XP4C_7: U1.D26 XP4.C7 | length 1186.5
  Mid-Layer 1 w5: v1(2519.69,3159.45) 2522.21,3159.45 2541.72,3139.94 2765.92,3139.94 3050.98,3425 3350,3425 XP4.C7@3375,3400 ; XP4.C7@3361.5,3400 ccw(c3328.91,3400) 3351.95,3423.05 ccw(c3375,3446.09) XP4.C7@3375,3413.5 ; XP4.C7@3361.5,3400 ccw(c3328.91,3400) 3351.96,3423.04 ccw(c3375,3446.09) XP4.C7@3375,3413.5 ; XP4.C7@3366.5,3400 ccw(c3345.98,3400) 3360.49,3414.51 ; XP4.C7@3366.5,3400 ccw(c3345.98,3400) 3360.49,3414.51 ; XP4.C7@3375,3408.5 cw(c3375,3429.02) 3360.49,3414.51 ; XP4.C7@3375,3408.5 cw(c3375,3429.02) 3360.49,3414.51
  Bottom Layer w6: U1.D26@2500,3139.76 v1(2519.69,3159.45)
XP4C_8: U1.C29 XP4.C8 | length 1073.8
  Mid-Layer 5 w5: v1@2561.59,3275 v1(2559.06,3277.54) 2893.68,3277.54 2913.39,3297.24 3169.29,3297.24 3246.55,3374.5 3350.5,3374.5 XP4.C8@3375,3350 XP4.C8@3375,3345.47 ; XP4.C8@3361.5,3350 ccw(c3328.91,3350) 3351.95,3373.05 ccw(c3375,3396.09) XP4.C8@3375,3363.5 ; XP4.C8@3361.5,3350 ccw(c3328.91,3350) 3351.96,3373.04 ccw(c3375,3396.09) XP4.C8@3375,3363.5 ; XP4.C8@3366.5,3350 ccw(c3345.98,3350) 3360.49,3364.51 ; XP4.C8@3366.5,3350 ccw(c3345.98,3350) 3360.49,3364.51 ; XP4.C8@3375,3358.5 cw(c3375,3379.02) 3360.49,3364.51 ; XP4.C8@3375,3358.5 cw(c3375,3379.02) 3360.49,3364.51
  Bottom Layer w6: U1.C29@2539.38,3257.86 v1(2559.06,3277.54) v1@2562.39,3280.88
XP4C_9: U1.A29 XP4.C9 | length 965.3
  Bottom Layer w5: U1.A29@2618.11,3257.87 3211.22,3257.87 3228.35,3275 3350,3275 XP4.C9@3375,3300 ; U1.A29@2622.61,3253.38 cw(c2633.46,3242.52) 2633.46,3257.87 cw(c2633.46,3273.22) U1.A29@2622.61,3262.37 ; XP4.C9@3361.5,3300 cw(c3328.9,3300) 3351.95,3276.95 ; XP4.C9@3361.5,3300 cw(c3328.91,3300) 3351.96,3276.96 ; XP4.C9@3366.5,3300 cw(c3345.98,3300) 3360.49,3285.49 ; XP4.C9@3366.5,3300 cw(c3345.98,3300) 3360.49,3285.49 ; XP4.C9@3375,3286.5 ccw(c3375,3253.91) 3351.95,3276.95 ; XP4.C9@3375,3291.5 ccw(c3375,3270.98) 3360.49,3285.49 ; XP4.C9@3375,3286.5 ccw(c3375,3253.91) 3351.96,3276.96 ; XP4.C9@3375,3291.5 ccw(c3375,3270.98) 3360.49,3285.49
XP4C_10: U1.B27 XP4.C10 | length 1016.6
  Bottom Layer w5: U1.B27@2578.74,3179.13 2598.11,3198.5 2627.95,3198.5 2647.95,3218.5 3070.87,3218.5 3077.36,3225 3350,3225 XP4.C10@3375,3250 ; U1.B27@2578.74,3185.49 ccw(c2578.74,3200.84) 2589.59,3189.99 ccw(c2600.45,3179.13) U1.B27@2585.1,3179.13 ; XP4.C10@3361.5,3250 cw(c3328.9,3250) 3351.95,3226.95 ; XP4.C10@3361.5,3250 cw(c3328.91,3250) 3351.96,3226.96 ; XP4.C10@3366.5,3250 cw(c3345.98,3250) 3360.49,3235.49 ; XP4.C10@3366.5,3250 cw(c3345.98,3250) 3360.49,3235.49 ; XP4.C10@3375,3236.5 ccw(c3375,3203.91) 3351.95,3226.95 ; XP4.C10@3375,3241.5 ccw(c3375,3220.98) 3360.49,3235.49 ; XP4.C10@3375,3236.5 ccw(c3375,3203.91) 3351.96,3226.96 ; XP4.C10@3375,3241.5 ccw(c3375,3220.98) 3360.49,3235.49
XP4C_11: U1.A27 XP4.C11 | length 958.5
  Bottom Layer w5: 3056.57,3179.45 3061.02,3175 3350,3175 XP4.C11@3375,3200 ; XP4.C11@3361.5,3200 cw(c3328.9,3200) 3351.95,3176.95 ; XP4.C11@3361.5,3200 cw(c3328.91,3200) 3351.96,3176.96 ; XP4.C11@3366.5,3200 cw(c3345.98,3200) 3360.49,3185.49 ; XP4.C11@3366.5,3200 cw(c3345.98,3200) 3360.49,3185.49 ; XP4.C11@3375,3186.5 ccw(c3375,3153.91) 3351.95,3176.95 ; XP4.C11@3375,3191.5 ccw(c3375,3170.98) 3360.49,3185.49 ; XP4.C11@3375,3186.5 ccw(c3375,3153.91) 3351.96,3176.96 ; XP4.C11@3375,3191.5 ccw(c3375,3170.98) 3360.49,3185.49
  Bottom Layer w6: U1.A27@2618.11,3179.13 2618.11,3179.45 3056.57,3179.45 ; U1.A27@2622.25,3174.99 cw(c2633.01,3164.23) 2633.01,3179.45 ; U1.A27@2622.25,3183.28 ccw(c2631.49,3192.52) 2631.49,3179.45
XP4C_12: U1.F24 XP4.C12 | length 1185.8
  Mid-Layer 2 w5: v1(2440.96,3080.7) 2460.45,3100.19 2460.45,3127.78 2472.44,3139.76 3185.24,3139.76 3200,3125 3350,3125 XP4.C12@3375,3150 ; XP4.C12@3361.5,3150 cw(c3328.91,3150) 3351.95,3126.95 ; XP4.C12@3361.5,3150 cw(c3328.91,3150) 3351.96,3126.96 ; XP4.C12@3366.5,3150 cw(c3345.98,3150) 3360.49,3135.49 ; XP4.C12@3366.5,3150 cw(c3345.98,3150) 3360.49,3135.49 ; XP4.C12@3375,3136.5 ccw(c3375,3103.91) 3351.95,3126.95 ; XP4.C12@3375,3141.5 ccw(c3375,3120.98) 3360.49,3135.49 ; XP4.C12@3375,3136.5 ccw(c3375,3103.91) 3351.96,3126.96 ; XP4.C12@3375,3141.5 ccw(c3375,3120.98) 3360.49,3135.49
  Bottom Layer w6: U1.F24@2421.26,3061.01 v1(2440.96,3080.7)
XP4C_13: U1.E24 XP4.C13 | length 1118.6
  Mid-Layer 2 w5: v1(2480.32,3080.71) 2499.82,3100.22 3174.78,3100.22 3200,3075 3351.18,3075 ; XP4.C13@3361.5,3099.98 cw(c3326.27,3099.91) 3351.18,3075 ; XP4.C13@3361.5,3099.98 cw(c3326.25,3099.93) 3351.18,3075 ; 3362.5,3086.32 cw(c3375,3073.81) XP4.C13@3375,3091.5 ; 3362.5,3086.33 cw(c3375,3073.83) XP4.C13@3375,3091.5 ; XP4.C13@3366.5,3099.98 cw(c3343.27,3099.94) 3359.69,3083.52 ccw(c3343.26,3099.96) XP4.C13@3366.5,3099.99 ; XP4.C13@3375,3086.5 ccw(c3375,3056.76) 3353.97,3077.79 cw(c3375,3056.74) XP4.C13@3375,3086.5 ; XP4.C13@3375,3100 3375,3098.82 3351.18,3075
  Bottom Layer w6: U1.E24@2460.64,3061.01 v1(2480.32,3080.71)
XP4C_14: U1.F23 XP4.C14 | length 1162
  Mid-Layer 2 w5: v1(2440.94,3041.33) 2460.45,3060.84 3152.32,3060.84 3188.16,3025 3350,3025 XP4.C14@3375,3050 ; XP4.C14@3361.5,3050 cw(c3328.91,3050) 3351.95,3026.95 ; XP4.C14@3361.5,3050 cw(c3328.91,3050) 3351.96,3026.96 ; XP4.C14@3366.5,3050 cw(c3345.98,3050) 3360.49,3035.49 ; XP4.C14@3366.5,3050 cw(c3345.98,3050) 3360.49,3035.49 ; XP4.C14@3375,3036.5 ccw(c3375,3003.91) 3351.95,3026.95 ; XP4.C14@3375,3041.5 ccw(c3375,3020.98) 3360.49,3035.49 ; XP4.C14@3375,3036.5 ccw(c3375,3003.91) 3351.96,3026.96 ; XP4.C14@3375,3041.5 ccw(c3375,3020.98) 3360.49,3035.49
  Bottom Layer w6: U1.F23@2421.26,3021.65 v1(2440.94,3041.33)